# Altium PCB 19_2_Coupled_PP0.PcbDoc (part 2 of 5)
Units mil, origin at the board's own origin, x right, y up, seen from the top; angles counter-clockwise.
Board outline 3937.01 x 10826.77 mil, 10 copper layers (Layer_1 Top, Layer_2 GND Plane 1, Layer_3 Signal inner 1, Layer_4 Power Plane 1, Layer_5  Signal inner 2, Layer_6 GND Plane 2, Layer_7 Signal inner 3, Layer_8 Power Plane 2, Layer_9 GND Plane 3, Layer_10 Bottom), stack 69.4 mil thick; 120 components, 283 nets, 1231 pads, 1956 vias.
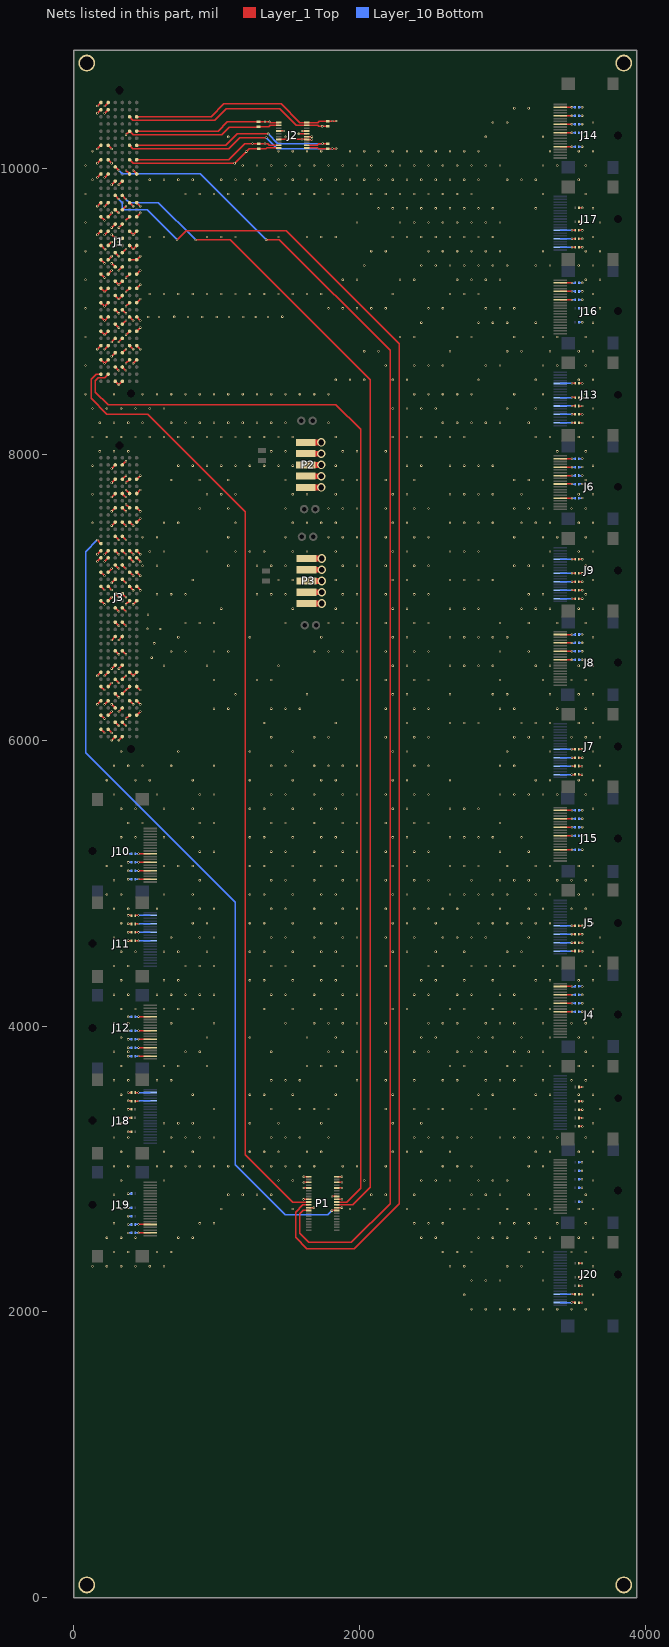
[diagram p10: the nets of this part, all layers, seen from the top]

## Via types
v1: diameter 16, hole 6, Layer_1 Top to Layer_10 Bottom, 1230 vias
v2: diameter 16, hole 6, Layer_1 Top to Layer_10 Bottom, tented both sides, 716 vias
v3: diameter 60, hole 40, Layer_1 Top to Layer_10 Bottom, 10 vias

## Nets (pads, with @x,y where several pads share a name; then routed paths per layer and width w, separated by ;. In a path a pad name is that pad's centre, name@x,y a point inside that pad or via, vN(x,y) a via of type N, cw(c..) or ccw(c..) an arc to the next point about the centre after c; other vN are vias at no path point) (continued)
GND: C1.1 C2.1 C3.1 C4.1 C5.1 C6.1 C7.1 C8.1 C9.1 C10.1 C11.1 C12.1 C13.1 C14.1 C15.1 C16.1 C17.1 C18.1 C19.1 C20.1 C21.1 C22.1 C23.1 C24.1 C25.1 C26.1 C27.1 C28.1 C29.1 C30.1 C31.1 C32.1 C33.1 C34.1 C35.1 C36.1 C37.1 C38.1 C39.1 C40.1 C41.1 C42.1 C43.1 C44.1 C45.1 C46.1 C47.1 C48.1 C49.1 C50.1 C51.1 C52.1 C53.1 C54.1 C55.1 C56.1 C57.1 C58.1 C59.1 C60.1 C61.1 C62.1 C63.1 C64.1 C65.1 C66.1 C67.1 C68.1 C69.1 C70.1 C71.1 C72.1 C73.1 C74.1 C75.1 C76.1 C77.1 C78.1 C79.1 C80.1 C81.1 C82.1 C83.1 C84.1 C85.1 C86.1 C87.1 C88.1 C89.1 J1.A4 J1.A8 J1.A10 J1.A12 J1.A14 J1.A16 J1.A18 J1.A20 J1.A22 J1.A24 J1.A30 J1.B4 J1.B8 J1.B10 J1.B12 J1.B14 J1.B16 J1.B18 J1.B20 J1.B22 J1.B24 J1.B30 J1.C1 J1.C3 J1.C5 J1.C7 J1.C9 J1.C11 J1.C13 J1.C15 J1.C17 J1.C19 J1.C21 J1.C23 J1.C25 J1.C29 J1.D1 J1.D3 J1.D5 J1.D7 J1.D9 J1.D11 J1.D13 J1.D15 J1.D17 J1.D19 J1.D21 J1.D23 J1.D25 J1.D29 J1.E4 J1.E8 J1.E10 J1.E12 J1.E14 J1.E16 J1.E18 J1.E20 J1.E22 J1.E24 J1.E30 J1.F4 J1.F8 J1.F10 J1.F12 J1.F14 J1.F16 J1.F18 J1.F20 J1.F22 J1.F24 J1.F30 J3.A4 J3.A8 J3.A10 J3.A20 J3.A22 J3.A24 J3.B4 J3.B8 J3.B10 J3.B20 J3.B22 J3.B24 J3.C1 J3.C3 J3.C5 J3.C7 J3.C9 J3.C11 J3.C13 J3.C15 J3.C17 J3.C19 J3.C21 J3.C23 J3.C25 J3.C27 J3.C29 J3.C31 J3.C33 J3.C35 J3.C37 J3.C39 J3.D1 J3.D3 J3.D5 J3.D7 J3.D9 J3.D11 J3.D13 J3.D15 J3.D17 J3.D19 J3.D21 J3.D23 J3.D25 J3.D27 J3.D29 J3.D31 J3.D33 J3.D35 J3.D37 J3.D39 J3.E2 J3.E4 J3.E8 J3.E10 J3.E20 J3.E22 J3.E24 J3.F2 J3.F4 J3.F8 J3.F10 J3.F20 J3.F22 J3.F24 P1.1 P1.2 P1.5 P1.6 P1.9 P1.10 P1.16 P1.17 P1.18 P1.23 P1.24 P2.3 P3.3 pad.0 pad.q | length 7545.4
  Layer_1 Top w10: v2(165,6450) J3.F10@190,6475 ; v2(165,9535) J1.F22@190,9560 ; v2(165,9935) J1.F30@190,9960 ; J3.F2@190,6075 v2(215,6050) ; J3.F4@190,6175 v2(215,6150) ; J3.F8@190,6375 v2(215,6350) ; J3.F20@190,6975 v2(215,6950) ; J3.F22@190,7075 v2(215,7050) ; J3.F24@190,7175 v2(215,7150) ; J1.F4@190,8660 v2(215,8635) J1.E4@240,8660 ; J1.F8@190,8860 v2(215,8835) J1.E8@240,8860 ; J1.F10@190,8960 v2(215,8935) J1.E10@240,8960 ; J1.F12@190,9060 v2(215,9035) J1.E12@240,9060 ; J1.F14@190,9160 v2(215,9135) J1.E14@240,9160 ; J1.F16@190,9260 v2(215,9235) ; J1.F18@190,9360 v2(215,9335) ; J1.F20@190,9460 192,9460 216.81,9435.19 218.48,9435.19 v2(219.63,9434.04) ; J1.F24@190,9660 v2(215,9635) ; v2(215,6450) J3.E10@240,6475 ; v2(215,9535) J1.E22@240,9560 ; v2(215,9935) J1.E30@240,9960 ; J3.E2@240,6075 v2(265,6050) ; J3.E4@240,6175 v2(265,6200) ; J3.E8@240,6375 v2(265,6400) ; J3.E20@240,6975 v2(265,7000) ; J3.E22@240,7075 v2(265,7050) ; J3.E24@240,7175 v2(265,7200) ; J1.E16@240,9260 v2(265,9285) ; J1.E18@240,9360 v2(265,9385) ; J1.E20@240,9460 264.73,9484.73 v2(265,9484.73) ; J1.E24@240,9660 263.85,9683.85 263.85,9686.85 v2(265,9688) ; v2(265,6000) J3.D1@290,6025 ; v2(265,6250) J3.D5@290,6225 ; v2(265,6500) J3.D11@290,6525 ; v2(265,6700) J3.D15@290,6725 ; v2(265,7100) J3.D23@290,7125 ; v2(265,7500) J3.D31@290,7525 ; v2(265,7600) J3.D33@290,7625 ; v2(265,7700) J3.D35@290,7725 ; v2(265,7800) J3.D37@290,7825 ; v2(265,7900) J3.D39@290,7925 ; v2(265,8685) J1.D5@290,8710 ; v2(265,8785) J1.D7@290,8810 ; v2(265,9335) J1.D17@290,9310 ; v2(265,9535) J1.D21@290,9510 ; v2(265,9585) J1.D23@290,9610 ; v2(265,9885) J1.D29@290,9910 ; J3.D3@290,6125 v2(315,6100) ; J3.D7@290,6325 315,6300 v2(315,6299.54) ; J3.D9@290,6425 v2(315,6400) ; J3.D13@290,6625 v2(315,6600) ; J3.D17@290,6825 v2(315,6800) ; J3.D19@290,6925 v2(315,6900) ; J3.D21@290,7025 v2(315,7000) ; J3.D25@290,7225 v2(315,7200) ; J3.D27@290,7325 v2(315,7300) ; J3.D29@290,7425 v2(315,7400) ; J1.D1@290,8510 v2(315,8485) J1.C1@340,8510 ; J1.D3@290,8610 v2(315.19,8584.81) ; J1.D9@290,8910 v2(315,8885) ; J1.D11@290,9010 v2(315,8985) ; J1.D13@290,9110 v2(315,9085) J1.C13@340,9110 ; J1.D15@290,9210 v2(315,9185) J1.C15@340,9210 ; J1.D19@290,9410 v2(315,9385) ; J1.D25@290,9710 310.85,9689.15 313.85,9689.15 v2(315,9688) ; v2(315,6000) J3.C1@340,6025 ; v2(315,6200) J3.C5@340,6225 ; v2(315,6500) J3.C11@340,6525 ; v2(315,6700) J3.C15@340,6725 ; v2(315,8785) J1.C7@340,8810 ; v2(315,9285) J1.C17@340,9310 ; v2(315,9485) J1.C21@340,9510 ; v2(315,9585) J1.C23@340,9610 ; v2(315,9885) J1.C29@340,9910 ; J3.C3@340,6125 v2(365,6100) ; J3.C7@340,6325 v2(365,6350) J3.B8@390,6375 ; J3.C9@340,6425 v2(365,6450) ; J3.C13@340,6625 v2(365,6600) ; J3.C17@340,6825 v2(365,6800) ; J3.C19@340,6925 v2(365,6900) ; J3.C21@340,7025 v2(365,7000) ; J3.C23@340,7125 v2(365,7100) ; J3.C25@340,7225 v2(365,7200) ; J3.C27@340,7325 v2(365,7300) ; J3.C29@340,7425 v2(365,7400) ; J3.C31@340,7525 v2(365,7500) ; J3.C33@340,7625 v2(365,7600) ; J3.C35@340,7725 v2(365,7700) ; J3.C37@340,7825 v2(365,7850) ; J3.C39@340,7925 v2(365,7950) ; J1.C3@340,8610 v2(365,8585) ; J1.C5@340,8710 v2(365,8735) ; J1.C9@340,8910 v2(365,8935) ; J1.C11@340,9010 v2(365,8985) ; J1.C19@340,9410 v2(365,9435) ; J1.C25@340,9710 v2(365,9735) ; v2(365,6150) J3.B4@390,6175 ; v2(365,6950) J3.B20@390,6975 ; v2(365,8635) J1.B4@390,8660 ; v2(365,8836) 366,8836 J1.B8@390,8860 ; v2(365,9035) J1.B12@390,9060 ; v2(365,9135) J1.B14@390,9160 ; v2(365,9235) J1.B16@390,9260 ; v2(365,9635) J1.B24@390,9660 ; v2(365,9985) J1.B30@390,9960 ; v2@381.01,3259.64 C77.1@404.01,3259.64 ; v2@381.01,3358.06 C72.1@404.01,3358.06 ; v2@381.01,3417.12 C67.1@404.01,3417.12 ; v2@381.01,3476.17 C62.1@404.01,3476.17 ; v2@381.01,3535.23 C57.1@404.01,3535.23 ; v2@381.01,4596.77 C46.1@404.01,4596.77 ; v2@381.01,4655.83 C40.1@404.01,4655.83 ; v2@381.01,4714.88 C34.1@404.01,4714.88 ; v2@381.01,4773.94 C28.1@404.01,4773.94 ; J3.B10@390,6475 v2(415,6450) J3.A10@440,6475 ; J3.B22@390,7075 413.85,7051.15 413.85,7048.67 v2(415,7047.52) ; J3.B24@390,7175 v2(415,7150) ; J1.B10@390,8960 v2(415,8935) ; J1.B18@390,9360 J1.A18@440,9360 v2(465,9385) ; J1.B20@390,9460 v2(415,9435) J1.A20@440,9460 ; J1.B22@390,9560 v2(415,9535) J1.A22@440,9560 ; v2(415,6950) J3.A20@440,6975 ; v2(415,8635) J1.A4@440,8660 ; v2(415,9985) J1.A30@440,9960 ; J3.A4@440,6175 v2(465,6200) ; J3.A8@440,6375 v2(465,6350) ; J3.A22@440,7075 463.85,7051.15 463.85,7048.67 v2(465,7047.52) ; J3.A24@440,7175 v2(465,7150) ; J1.A8@440,8860 v2(465,8885) ; J1.A10@440,8960 v2(465,8935) ; J1.A12@440,9060 v2(465,9085) ; J1.A14@440,9160 v2(465,9185) ; J1.A16@440,9260 v2(465,9285) ; J1.A24@440,9660 463.85,9683.85 463.85,9686.85 v2(465,9688) ; v2(1607,2788) 1642.66,2788 P1.17@1643.33,2788.67 ; v2(1609.24,2867.33) P1.9@1642.66,2867.33 ; v2(1609.24,2906.33) 1609.69,2906.78 P1.5@1643.33,2906.78 ; v2(1609.24,2946.33) 1609.42,2946.15 P1.1@1643.33,2946.15 ; P1.23@1645.66,2729.33 v2(1679.09,2729.33) ; v2(1806.24,2808.33) P1.16@1839.66,2808.33 ; P1.24@1839.66,2729.33 1839.94,2729.62 v2(1875.09,2729.62) ; P1.2@1841.66,2946.33 v2(1875.09,2946.33) ; P1.18@1842.66,2788.33 v2(1876.09,2788.33) ; P1.10@1842.66,2867.33 v2(1876.09,2867.33) ; P1.6@1842.66,2906.33 v2(1876.09,2906.33) ; C59.1@3532.35,2066.34 v2@3555.34,2066.34 ; C64.1@3532.35,2125.39 v2@3555.34,2125.39 ; C69.1@3532.35,2184.45 v2@3555.34,2184.45 ; C74.1@3532.35,2243.5 v2@3555.34,2243.5 ; C79.1@3532.35,2341.93 v2@3555.34,2341.93 ; C10.1@3532.35,5759.06 v2@3555.34,5759.06 ; C14.1@3532.35,5818.12 v2@3555.34,5818.12 ; C22.1@3532.35,5936.23 v2@3555.34,5936.23 ; C1.1@3532.91,4524.09 v2@3555.91,4524.09 ; C4.1@3532.91,4583.14 v2@3555.91,4583.14 ; C6.1@3532.91,4642.2 v2@3555.91,4642.2 ; C8.1@3532.91,4701.25 v2@3555.91,4701.25 ; C18.1@3533.35,5877.17 v2@3556.34,5877.17 ; C12.1@3533.35,6990.06 v2@3556.34,6990.06 ; C16.1@3533.35,7049.12 v2@3556.34,7049.12 ; C20.1@3533.35,7108.17 v2@3556.34,7108.17 ; C24.1@3533.35,7167.23 v2@3556.34,7167.23 ; C26.1@3533.35,7265.65 v2@3556.34,7265.65 ; C30.1@3533.35,8219.06 v2@3556.34,8219.06 ; C36.1@3533.35,8278.12 v2@3556.34,8278.12 ; C42.1@3533.35,8337.17 v2@3556.34,8337.17 ; C48.1@3533.35,8396.23 v2@3556.34,8396.23 ; C52.1@3533.35,8494.65 v2@3556.34,8494.65 ; C56.1@3533.35,9448.11 v2@3556.34,9448.11 ; C61.1@3533.35,9507.16 v2@3556.34,9507.16 ; C66.1@3533.35,9566.22 v2@3556.34,9566.22 ; C71.1@3533.35,9625.27 v2@3556.34,9625.27 ; C76.1@3533.35,9723.7 v2@3556.34,9723.7 ; C81.1@3533.91,3298.06 v2@3556.91,3298.06 ; C83.1@3533.91,3357.12 v2@3556.91,3357.12 ; C85.1@3533.91,3416.17 v2@3556.91,3416.17 ; C87.1@3533.91,3475.23 v2@3556.91,3475.23 ; C89.1@3533.91,3573.65 v2@3556.91,3573.65
  Layer_1 Top w40: P3.3@1627.39,7113.13 v3(1734.89,7113.13) ; P2.3@1627.97,7924.98 v3@1735.48,7924.98
  Layer_10 Bottom w10: v2@381.01,2552.94 C58.1@404.01,2552.94 ; v2@381.01,2611.99 C63.1@404,2612 ; v2@381.01,2671.05 C68.1@404,2671 ; v2@381.01,2730.1 C73.1@404.01,2730.1 ; v2@381.01,2828.53 C78.1@404.01,2828.53 ; v2@381.01,3789.75 C29.1@404.01,3789.75 ; v2@381.01,3848.8 C35.1@404.01,3848.8 ; v2@381.01,3907.86 C41.1@404.01,3907.86 ; v2@381.01,3966.91 C47.1@404.01,3966.91 ; v2@381.01,4065.34 C51.1@404.01,4065.34 ; v2@381.01,5027.49 C27.1@404.01,5027.49 ; v2@381.01,5086.55 C33.1@404.01,5086.55 ; v2@381.01,5145.61 C39.1@404.01,5145.61 ; v2@381.01,5204.66 C45.1@404.01,5204.66 ; C88.1@3532.35,2770.3 v2@3555.34,2770.3 ; C86.1@3532.35,2868.73 v2@3555.34,2868.73 ; C84.1@3532.35,2927.78 v2@3555.34,2927.78 ; C82.1@3532.35,2986.84 v2@3555.34,2986.84 ; C80.1@3532.35,3045.89 v2@3555.34,3045.89 ; C23.1@3532.91,6561.73 v2@3555.91,6561.73 ; C19.1@3532.91,6620.78 v2@3555.91,6620.78 ; C15.1@3532.91,6679.84 v2@3555.91,6679.84 ; C11.1@3532.91,6738.89 v2@3555.91,6738.89 ; C53.1@3533,10150.85 v2@3555.99,10150.85 ; C49.1@3533,10249.28 v2@3555.99,10249.28 ; C43.1@3533,10308.32 v2@3555.99,10308.33 ; C37.1@3533,10367.39 v2@3555.99,10367.39 ; C31.1@3533,10426.44 v2@3555.99,10426.44 ; C7.1@3533.35,4099.73 v2@3556.34,4099.73 ; C5.1@3533.35,4158.78 v2@3556.34,4158.78 ; C3.1@3533.35,4217.84 v2@3556.34,4217.84 ; C2.1@3533.35,4276.89 v2@3556.34,4276.89 ; C54.1@3533.35,5233.3 v2@3556.34,5233.3 ; C50.1@3533.35,5331.73 v2@3556.34,5331.73 ; C44.1@3533.35,5390.78 v2@3556.34,5390.78 ; C38.1@3533.35,5449.84 v2@3556.34,5449.84 ; C32.1@3533.35,5508.89 v2@3556.34,5508.89 ; C25.1@3533.35,7693.3 v2@3556.34,7693.3 ; C21.1@3533.35,7791.73 v2@3556.34,7791.73 ; C17.1@3533.35,7850.78 v2@3556.34,7850.78 ; C13.1@3533.35,7909.84 v2@3556.34,7909.84 ; C9.1@3533.35,7968.89 v2@3556.34,7968.89 ; C75.1@3533.35,8922.3 v2@3556.34,8922.3 ; C70.1@3533.35,9020.73 v2@3556.34,9020.73 ; C65.1@3533.35,9079.78 v2@3556.34,9079.78 ; C60.1@3533.35,9138.84 v2@3556.34,9138.84 ; C55.1@3533.35,9197.89 v2@3556.34,9197.89
  other v1: 2781.33,2020 2881.33,2020 2981.33,2020 3081.33,2020 3181.33,2020 3281.33,2020 3381.33,2020 3481.33,2020 3581.33,2020 2731.33,2120 3631.33,2120 2781.33,2220 2881.33,2220 2981.33,2220 3281.33,2220 131.33,2320 231.33,2320 331.33,2320 431.33,2320 531.33,2320 631.33,2320 2631.33,2320 2731.33,2320 3031.33,2320 3131.33,2320 3631.33,2320 281.33,2420 381.33,2420 581.33,2420 681.33,2420 2581.33,2420 2681.33,2420 2781.33,2420 3181.33,2420 3281.33,2420 3481.33,2420 3581.33,2420 231.33,2520 331.33,2520 431.33,2520 731.33,2520 831.33,2520 2431.33,2520 2531.33,2520 2831.33,2520 2931.33,2520 3031.33,2520 3231.33,2520 3331.33,2520 3531.33,2520 3631.33,2520 281.33,2620 881.33,2620 981.33,2620 2381.33,2620 2481.33,2620 2581.33,2620 2981.33,2620 3081.33,2620 3181.33,2620 3381.33,2620 3581.33,2620 331.33,2720 1031.33,2720 1331.33,2720 1531.33,2720 1931.33,2720 2031.33,2720 2331.33,2720 2631.33,2720 2731.33,2720 2831.33,2720 3031.33,2720 3231.33,2720 3331.33,2720 3531.33,2720 3631.33,2720 281.33,2820 1081.33,2820 1181.33,2820 1281.33,2820 1381.33,2820 2081.33,2820 2181.33,2820 2381.33,2820 2781.33,2820 2881.33,2820 2981.33,2820 3181.33,2820 3581.33,2820 331.33,2920 631.33,2920 1431.33,2920 1531.33,2920 2031.33,2920 2431.33,2920 2531.33,2920 2631.33,2920 2831.33,2920 2931.33,2920 3031.33,2920 3631.33,2920 281.33,3020 381.33,3020 581.33,3020 681.33,3020 781.33,3020 881.33,3020 981.33,3020 1081.33,3020 1181.33,3020 1381.33,3020 1481.33,3020 1581.33,3020 1681.33,3020 1881.33,3020 1981.33,3020 2181.33,3020 2581.33,3020 2681.33,3020 2781.33,3020 3181.33,3020 3281.33,3020 331.33,3120 631.33,3120 831.33,3120 1231.33,3120 1331.33,3120 1431.33,3120 1631.33,3120 1731.33,3120 2231.33,3120 2331.33,3120 2431.33,3120 2631.33,3120 3231.33,3120 3331.33,3120 3531.33,3120 3631.33,3120 281.33,3220 381.33,3220 681.33,3220 781.33,3220 881.33,3220 981.33,3220 1381.33,3220 1481.33,3220 1581.33,3220 1781.33,3220 2381.33,3220 2481.33,3220 2581.33,3220 2681.33,3220 2781.33,3220 2981.33,3220 3081.33,3220 3181.33,3220 3281.33,3220 3381.33,3220 3581.33,3220 331.33,3320 631.33,3320 731.33,3320 831.33,3320 1231.33,3320 1431.33,3320 1731.33,3320 2231.33,3320 2431.33,3320 3631.33,3320 281.33,3420 981.33,3420 1381.33,3420 1581.33,3420 1681.33,3420 1781.33,3420 2181.33,3420 2381.33,3420 2481.33,3420 2581.33,3420 2781.33,3420 2881.33,3420 3081.33,3420 3681.33,3420 331.33,3520 831.33,3520 1231.33,3520 1331.33,3520 1531.33,3520 1831.33,3520 2231.33,3520 2831.33,3520 2931.33,3520 3231.33,3520 3331.33,3520 3531.33,3520 3631.33,3520 281.33,3620 381.33,3620 581.33,3620 681.33,3620 1381.33,3620 1481.33,3620 1581.33,3620 1981.33,3620 2181.33,3620 2381.33,3620 2581.33,3620 2681.33,3620 2881.33,3620 2981.33,3620 3081.33,3620 3281.33,3620 3481.33,3620 3581.33,3620 331.33,3720 631.33,3720 731.33,3720 931.33,3720 1631.33,3720 1731.33,3720 1831.33,3720 2631.33,3720 2731.33,3720 3031.33,3720 3131.33,3720 3331.33,3720 3531.33,3720 3631.33,3720 281.33,3820 381.33,3820 781.33,3820 881.33,3820 1381.33,3820 1781.33,3820 1881.33,3820 1981.33,3820 2181.33,3820 2381.33,3820 2481.33,3820 2681.33,3820 2781.33,3820 2881.33,3820 3081.33,3820 3181.33,3820 3281.33,3820 3581.33,3820 331.33,3920 931.33,3920 1231.33,3920 1631.33,3920 1831.33,3920 2431.33,3920 2531.33,3920 2831.33,3920 2931.33,3920 3131.33,3920 3331.33,3920 3531.33,3920 3631.33,3920 281.33,4020 381.33,4020 681.33,4020 981.33,4020 1481.33,4020 1681.33,4020 1781.33,4020 1881.33,4020 1981.33,4020 2181.33,4020 2481.33,4020 2581.33,4020 2681.33,4020 2881.33,4020 2981.33,4020 3081.33,4020 3281.33,4020 3481.33,4020 3581.33,4020 331.33,4120 431.33,4120 631.33,4120 731.33,4120 831.33,4120 1331.33,4120 1531.33,4120 1731.33,4120 1831.33,4120 2231.33,4120 2331.33,4120 2631.33,4120 2731.33,4120 2931.33,4120 3131.33,4120 3231.33,4120 3331.33,4120 3631.33,4120 281.33,4220 381.33,4220 581.33,4220 681.33,4220 781.33,4220 881.33,4220 981.33,4220 1381.33,4220 1481.33,4220 1681.33,4220 1881.33,4220 1981.33,4220 2381.33,4220 2481.33,4220 2681.33,4220 2781.33,4220 2981.33,4220 3081.33,4220 331.33,4320 631.33,4320 731.33,4320 1231.33,4320 1331.33,4320 1531.33,4320 1731.33,4320 1831.33,4320 2431.33,4320 2531.33,4320 2731.33,4320 2931.33,4320 3231.33,4320 3331.33,4320 3531.33,4320 3631.33,4320 281.33,4420 381.33,4420 781.33,4420 881.33,4420 981.33,4420 1381.33,4420 1481.33,4420 1681.33,4420 1881.33,4420 1981.33,4420 2181.33,4420 2481.33,4420 2581.33,4420 2781.33,4420 2881.33,4420 2981.33,4420 3081.33,4420 3281.33,4420 3381.33,4420 3581.33,4420 3681.33,4420 331.33,4520 431.33,4520 631.33,4520 731.33,4520 931.33,4520 1231.33,4520 1331.33,4520 1531.33,4520 1731.33,4520 1831.33,4520 2231.33,4520 2331.33,4520 2531.33,4520 2731.33,4520 3031.33,4520 3131.33,4520 3631.33,4520 281.33,4620 681.33,4620 881.33,4620 981.33,4620 1381.33,4620 1481.33,4620 1681.33,4620 1881.33,4620 1981.33,4620 2181.33,4620 2381.33,4620 2581.33,4620 2681.33,4620 2781.33,4620 2881.33,4620 3181.33,4620 3681.33,4620 331.33,4720 831.33,4720 931.33,4720 1231.33,4720 1331.33,4720 1531.33,4720 1731.33,4720 1831.33,4720 2231.33,4720 2331.33,4720 2531.33,4720 2831.33,4720 2931.33,4720 3031.33,4720 3131.33,4720 3231.33,4720 3331.33,4720 3631.33,4720 281.33,4820 381.33,4820 581.33,4820 881.33,4820 981.33,4820 1381.33,4820 1481.33,4820 1681.33,4820 1881.33,4820 1981.33,4820 2181.33,4820 2381.33,4820 2481.33,4820 2581.33,4820 2681.33,4820 2981.33,4820 3181.33,4820 3281.33,4820 3481.33,4820 3581.33,4820 231.33,4920 331.33,4920 631.33,4920 831.33,4920 1231.33,4920 1331.33,4920 1531.33,4920 1731.33,4920 1831.33,4920 2231.33,4920 2331.33,4920 2631.33,4920 2731.33,4920 2831.33,4920 2931.33,4920 3031.33,4920 3231.33,4920 3331.33,4920 3531.33,4920 3631.33,4920 281.33,5020 881.33,5020 1381.33,5020 1481.33,5020 1681.33,5020 1881.33,5020 1981.33,5020 2181.33,5020 2381.33,5020 2481.33,5020 2781.33,5020 2981.33,5020 3081.33,5020 3181.33,5020 3381.33,5020 3481.33,5020 3581.33,5020 231.33,5120 331.33,5120 631.33,5120 731.33,5120 831.33,5120 1231.33,5120 1331.33,5120 1531.33,5120 1731.33,5120 1831.33,5120 2231.33,5120 2331.33,5120 2631.33,5120 2731.33,5120 2831.33,5120 3031.33,5120 3231.33,5120 3331.33,5120 3531.33,5120 3631.33,5120 281.33,5220 881.33,5220 981.33,5220 1381.33,5220 1481.33,5220 1681.33,5220 1881.33,5220 1981.33,5220 2181.33,5220 2381.33,5220 2481.33,5220 2981.33,5220 3181.33,5220 331.33,5320 431.33,5320 631.33,5320 831.33,5320 1231.33,5320 1331.33,5320 1531.33,5320 1731.33,5320 1831.33,5320 2231.33,5320 2331.33,5320 2631.33,5320 2731.33,5320 2831.33,5320 2931.33,5320 3131.33,5320 3631.33,5320 381.33,5420 481.33,5420 881.33,5420 981.33,5420 1381.33,5420 1481.33,5420 1681.33,5420 1881.33,5420 1981.33,5420 2181.33,5420 2381.33,5420 2481.33,5420 2981.33,5420 331.33,5520 431.33,5520 631.33,5520 831.33,5520 1231.33,5520 1331.33,5520 1531.33,5520 1731.33,5520 1831.33,5520 2231.33,5520 2331.33,5520 2631.33,5520 2731.33,5520 2831.33,5520 3631.33,5520 281.33,5620 581.33,5620 881.33,5620 981.33,5620 1381.33,5620 1481.33,5620 1681.33,5620 1881.33,5620 1981.33,5620 2181.33,5620 2381.33,5620 2481.33,5620 2981.33,5620 3081.33,5620 3181.33,5620 3281.33,5620 3381.33,5620 3581.33,5620 231.33,5720 431.33,5720 531.33,5720 831.33,5720 1231.33,5720 1531.33,5720 1731.33,5720 1831.33,5720 2231.33,5720 2331.33,5720 2631.33,5720 3231.33,5720 3331.33,5720 3531.33,5720 3631.33,5720 281.33,5820 381.33,5820 481.33,5820 681.33,5820 981.33,5820 1381.33,5820 1481.33,5820 1681.33,5820 1781.33,5820 1881.33,5820 1981.33,5820 2381.33,5820 2481.33,5820 2981.33,5820 3081.33,5820 3681.33,5820 331.33,5920 731.33,5920 1231.33,5920 1531.33,5920 2231.33,5920 2331.33,5920 3031.33,5920 3331.33,5920 3631.33,5920 1381.33,6020 1681.33,6020 1781.33,6020 2181.33,6020 2381.33,6020 2481.33,6020 3081.33,6020 3181.33,6020 3281.33,6020 3481.33,6020 3581.33,6020 3681.33,6020 1331.33,6120 1831.33,6120 2331.33,6120 2631.33,6120 2731.33,6120 2831.33,6120 3131.33,6120 3231.33,6120 3331.33,6120 3531.33,6120 3631.33,6120 981.33,6220 1081.33,6220 1381.33,6220 1481.33,6220 1581.33,6220 2181.33,6220 2381.33,6220 2481.33,6220 2981.33,6220 3081.33,6220 3381.33,6220 3581.33,6220 1131.33,6320 1631.33,6320 2231.33,6320 2331.33,6320 2631.33,6320 2931.33,6320 3031.33,6320 3331.33,6320 3531.33,6320 3631.33,6320 981.33,6420 1281.33,6420 1381.33,6420 1881.33,6420 1981.33,6420 2181.33,6420 2381.33,6420 2481.33,6420 2981.33,6420 3281.33,6420 3481.33,6420 3581.33,6420 631.33,6520 931.33,6520 1431.33,6520 2231.33,6520 2331.33,6520 2631.33,6520 2731.33,6520 2831.33,6520 2931.33,6520 3231.33,6520 3331.33,6520 3531.33,6520 3631.33,6520 544.54,6576.84 681.33,6620 781.33,6620 981.33,6620 1081.33,6620 1681.33,6620 1781.33,6620 1881.33,6620 1981.33,6620 2181.33,6620 2381.33,6620 2481.33,6620 2981.33,6620 3181.33,6620 562.59,6676.84 731.33,6720 1231.33,6720 1731.33,6720 2231.33,6720 2331.33,6720 2631.33,6720 2731.33,6720 2831.33,6720 2931.33,6720 3031.33,6720 3631.33,6720 604.03,6776.84 515.64,6778.68 781.33,6820 881.33,6820 981.33,6820 1481.33,6820 1781.33,6820 1881.33,6820 1981.33,6820 2181.33,6820 2381.33,6820 2481.33,6820 2981.33,6820 3181.33,6820 3381.33,6820 3581.33,6820 519.7,6876.84 1031.33,6920 1531.33,6920 1831.33,6920 2231.33,6920 2331.33,6920 2631.33,6920 2731.33,6920 2831.33,6920 3131.33,6920 3231.33,6920 3331.33,6920 3531.33,6920 3631.33,6920 581.33,7020 681.33,7020 781.33,7020 1281.33,7020 1381.33,7020 1481.33,7020 1881.33,7020 1981.33,7020 2181.33,7020 2381.33,7020 2481.33,7020 3181.33,7020 3281.33,7020 3581.33,7020 831.33,7120 1431.33,7120 1531.33,7120 1831.33,7120 2231.33,7120 2331.33,7120 2631.33,7120 2731.33,7120 2831.33,7120 2931.33,7120 3631.33,7120 481.33,7220 581.33,7220 1081.33,7220 1281.33,7220 1381.33,7220 1481.33,7220 1881.33,7220 1981.33,7220 2181.33,7220 2381.33,7220 2481.33,7220 3081.33,7220 3181.33,7220 3281.33,7220 3581.33,7220 531.33,7320 631.33,7320 931.33,7320 1131.33,7320 1231.33,7320 1331.33,7320 1531.33,7320 1631.33,7320 1831.33,7320 2231.33,7320 2331.33,7320 2631.33,7320 2731.33,7320 2831.33,7320 3331.33,7320 3531.33,7320 3631.33,7320 481.33,7420 581.33,7420 1081.33,7420 1481.33,7420 1781.33,7420 1881.33,7420 1981.33,7420 2181.33,7420 2381.33,7420 2481.33,7420 3081.33,7420 3281.33,7420 3381.33,7420 3581.33,7420 131.33,7520 631.33,7520 731.33,7520 1131.33,7520 1531.33,7520 1631.33,7520 1731.33,7520 1831.33,7520 2231.33,7520 2331.33,7520 2631.33,7520 2731.33,7520 2831.33,7520 2931.33,7520 3131.33,7520 3231.33,7520 3331.33,7520 3531.33,7520 3631.33,7520 881.33,7620 1081.33,7620 1481.33,7620 1781.33,7620 1881.33,7620 1981.33,7620 2181.33,7620 2381.33,7620 2481.33,7620 3081.33,7620 3181.33,7620 3281.33,7620 3481.33,7620 3581.33,7620 131.33,7720 931.33,7720 1031.33,7720 1131.33,7720 1531.33,7720 1631.33,7720 1831.33,7720 2231.33,7720 2331.33,7720 2631.33,7720 2731.33,7720 2831.33,7720 2931.33,7720 3131.33,7720 3531.33,7720 3631.33,7720 681.33,7820 881.33,7820 1081.33,7820 1481.33,7820 1881.33,7820 1981.33,7820 2181.33,7820 2381.33,7820 3081.33,7820 3181.33,7820 3281.33,7820 3581.33,7820 131.33,7920 731.33,7920 831.33,7920 931.33,7920 1031.33,7920 1131.33,7920 1231.33,7920 1331.33,7920 1431.33,7920 1531.33,7920 1831.33,7920 2331.33,7920 2431.33,7920 2631.33,7920 2731.33,7920 2831.33,7920 2931.33,7920 3631.33,7920 181.33,8020 281.33,8020 381.33,8020 1381.33,8020 1481.33,8020 1881.33,8020 1981.33,8020 2181.33,8020 3381.33,8020 3581.33,8020 131.33,8120 231.33,8120 331.33,8120 431.33,8120 531.33,8120 631.33,8120 731.33,8120 831.33,8120 931.33,8120 1031.33,8120 1131.33,8120 1231.33,8120 1331.33,8120 1431.33,8120 1531.33,8120 1831.33,8120 2231.33,8120 2331.33,8120 2431.33,8120 2531.33,8120 2631.33,8120 2731.33,8120 3231.33,8120 3331.33,8120 3531.33,8120 3631.33,8120 181.33,8220 281.33,8220 381.33,8220 481.33,8220 681.33,8220 781.33,8220 881.33,8220 981.33,8220 1081.33,8220 1181.33,8220 1281.33,8220 1381.33,8220 1481.33,8220 1781.33,8220 2581.33,8220 2681.33,8220 2781.33,8220 2881.33,8220 2981.33,8220 3181.33,8220 131.33,8320 231.33,8320 331.33,8320 431.33,8320 531.33,8320 631.33,8320 2231.33,8320 2331.33,8320 2431.33,8320 2531.33,8320 3031.33,8320 3231.33,8320 3631.33,8320 81.33,8420 281.33,8420 481.33,8420 581.33,8420 681.33,8420 781.33,8420 881.33,8420 981.33,8420 1081.33,8420 1181.33,8420 1281.33,8420 1381.33,8420 1481.33,8420 1581.33,8420 1681.33,8420 1781.33,8420 2381.33,8420 2481.33,8420 2581.33,8420 2681.33,8420 2781.33,8420 3081.33,8420 3281.33,8420 3581.33,8420 1831.33,8520 1931.33,8520 2031.33,8520 2231.33,8520 2331.33,8520 2831.33,8520 3231.33,8520 3531.33,8520 3631.33,8520 81.33,8620 2181.33,8620 2381.33,8620 2481.33,8620 2581.33,8620 2881.33,8620 2981.33,8620 3281.33,8620 3381.33,8620 3581.33,8620 2031.33,8720 2131.33,8720 2631.33,8720 3031.33,8720 3131.33,8720 3331.33,8720 3531.33,8720 3631.33,8720 81.33,8820 2281.33,8820 2381.33,8820 2681.33,8820 2781.33,8820 3081.33,8820 3281.33,8820 3381.33,8820 3581.33,8820 2431.33,8920 2831.33,8920 2931.33,8920 3031.33,8920 3231.33,8920 3631.33,8920 521.32,8960.27 596.06,8960.27 799.06,8960.27 899.06,8960.27 999.06,8960.27 1085.39,8960.27 1185.39,8960.27 1273.32,8960.27 1359.06,8960.27 703.13,8960.77 1459.06,8961.84 81.33,9020 1781.33,9020 1881.33,9020 1981.33,9020 2081.33,9020 2181.33,9020 2481.33,9020 2581.33,9020 2881.33,9020 2981.33,9020 3081.33,9020 3681.33,9020 531.33,9120 631.33,9120 731.33,9120 831.33,9120 931.33,9120 1031.33,9120 1131.33,9120 1231.33,9120 1331.33,9120 1431.33,9120 1531.33,9120 1631.33,9120 1731.33,9120 2231.33,9120 2631.33,9120 2731.33,9120 2831.33,9120 3631.33,9120 81.33,9220 1881.33,9220 1981.33,9220 2281.33,9220 2381.33,9220 2681.33,9220 2781.33,9220 2881.33,9220 2981.33,9220 3581.33,9220 3681.33,9220 2031.33,9320 2431.33,9320 2531.33,9320 2631.33,9320 2731.33,9320 2831.33,9320 2931.33,9320 3031.33,9320 3231.33,9320 3331.33,9320 3531.33,9320 3631.33,9320 81.33,9420 2081.33,9420 2181.33,9420 2481.33,9420 2581.33,9420 2681.33,9420 2781.33,9420 2881.33,9420 2981.33,9420 3281.33,9420 3581.33,9420 3681.33,9420 531.33,9520 631.33,9520 931.33,9520 1031.33,9520 1131.33,9520 1431.33,9520 1631.33,9520 1731.33,9520 1831.33,9520 2231.33,9520 2331.33,9520 2431.33,9520 2531.33,9520 2631.33,9520 2731.33,9520 2831.33,9520 2931.33,9520 3631.33,9520 81.33,9620 1981.33,9620 2281.33,9620 2381.33,9620 2481.33,9620 2581.33,9620 2681.33,9620 2781.33,9620 2881.33,9620 2981.33,9620 3681.33,9620 2131.33,9720 2231.33,9720 2331.33,9720 2431.33,9720 2531.33,9720 2631.33,9720 2731.33,9720 2831.33,9720 2931.33,9720 3231.33,9720 3631.33,9720 81.33,9820 781.33,9820 881.33,9820 981.33,9820 1081.33,9820 1181.33,9820 1281.33,9820 1381.33,9820 1481.33,9820 1581.33,9820 1681.33,9820 1781.33,9820 1881.33,9820 1981.33,9820 2081.33,9820 2181.33,9820 2281.33,9820 2381.33,9820 2481.33,9820 2581.33,9820 2681.33,9820 2781.33,9820 3281.33,9820 3581.33,9820 131.33,9920 531.33,9920 631.33,9920 731.33,9920 831.33,9920 1031.33,9920 1131.33,9920 1231.33,9920 1331.33,9920 1431.33,9920 1531.33,9920 1631.33,9920 1731.33,9920 1831.33,9920 1931.33,9920 2031.33,9920 2131.33,9920 2231.33,9920 2331.33,9920 2431.33,9920 2531.33,9920 2631.33,9920 2731.33,9920 2831.33,9920 3031.33,9920 3131.33,9920 3231.33,9920 3531.33,9920 81.33,10020 1181.33,10020 1281.33,10020 1381.33,10020 1481.33,10020 1581.33,10020 1681.33,10020 1781.33,10020 1881.33,10020 1981.33,10020 2081.33,10020 2181.33,10020 2281.33,10020 2381.33,10020 2481.33,10020 2581.33,10020 2681.33,10020 2781.33,10020 2881.33,10020 2981.33,10020 3281.33,10020 3381.33,10020 3581.33,10020 131.33,10120 1431.33,10120 1531.33,10120 1631.33,10120 1731.33,10120 1931.33,10120 2031.33,10120 2131.33,10120 2231.33,10120 2331.33,10120 2431.33,10120 2531.33,10120 2631.33,10120 2731.33,10120 2831.33,10120 3331.33,10120 3531.33,10120 3631.33,10120 1081.33,10220 1481.33,10220 2881.33,10220 3281.33,10220 3581.33,10220 2931.33,10320 3031.33,10320 3631.33,10320 3081.33,10420 3181.33,10420